# Altium PCB mitosis.PcbDoc
Units mm, origin at the board's own origin, x right, y up, seen from the top; angles counter-clockwise.
Board outline 100 x 100 mm, 2 copper layers (Top Layer, Bottom Layer), stack 1.671 mm thick; 31 components, 33 nets, 448 pads, 45 vias.
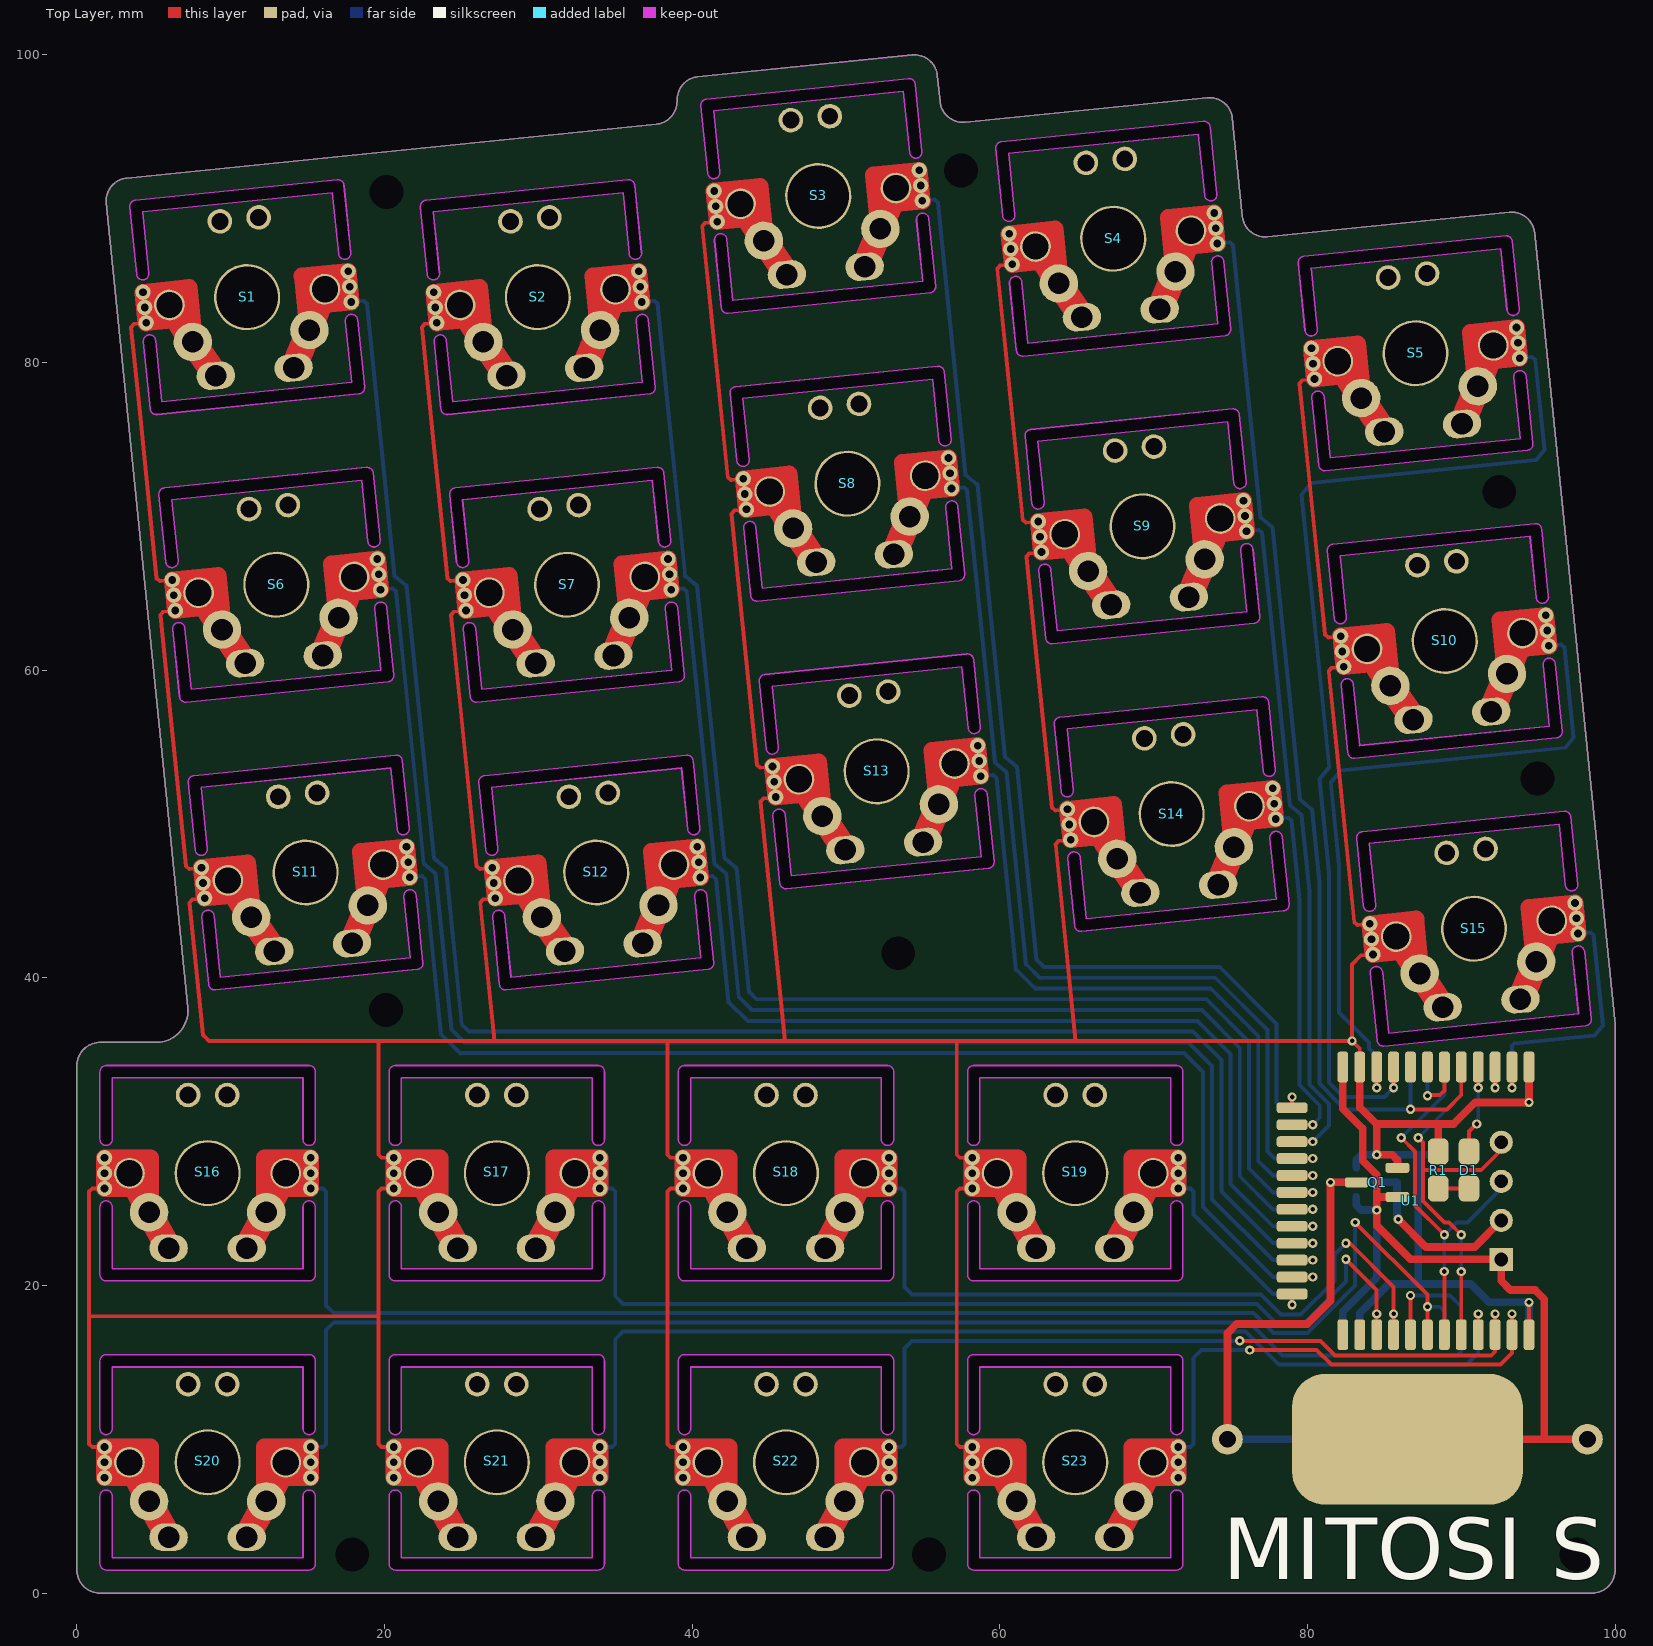
[diagram p0: Top Layer view]
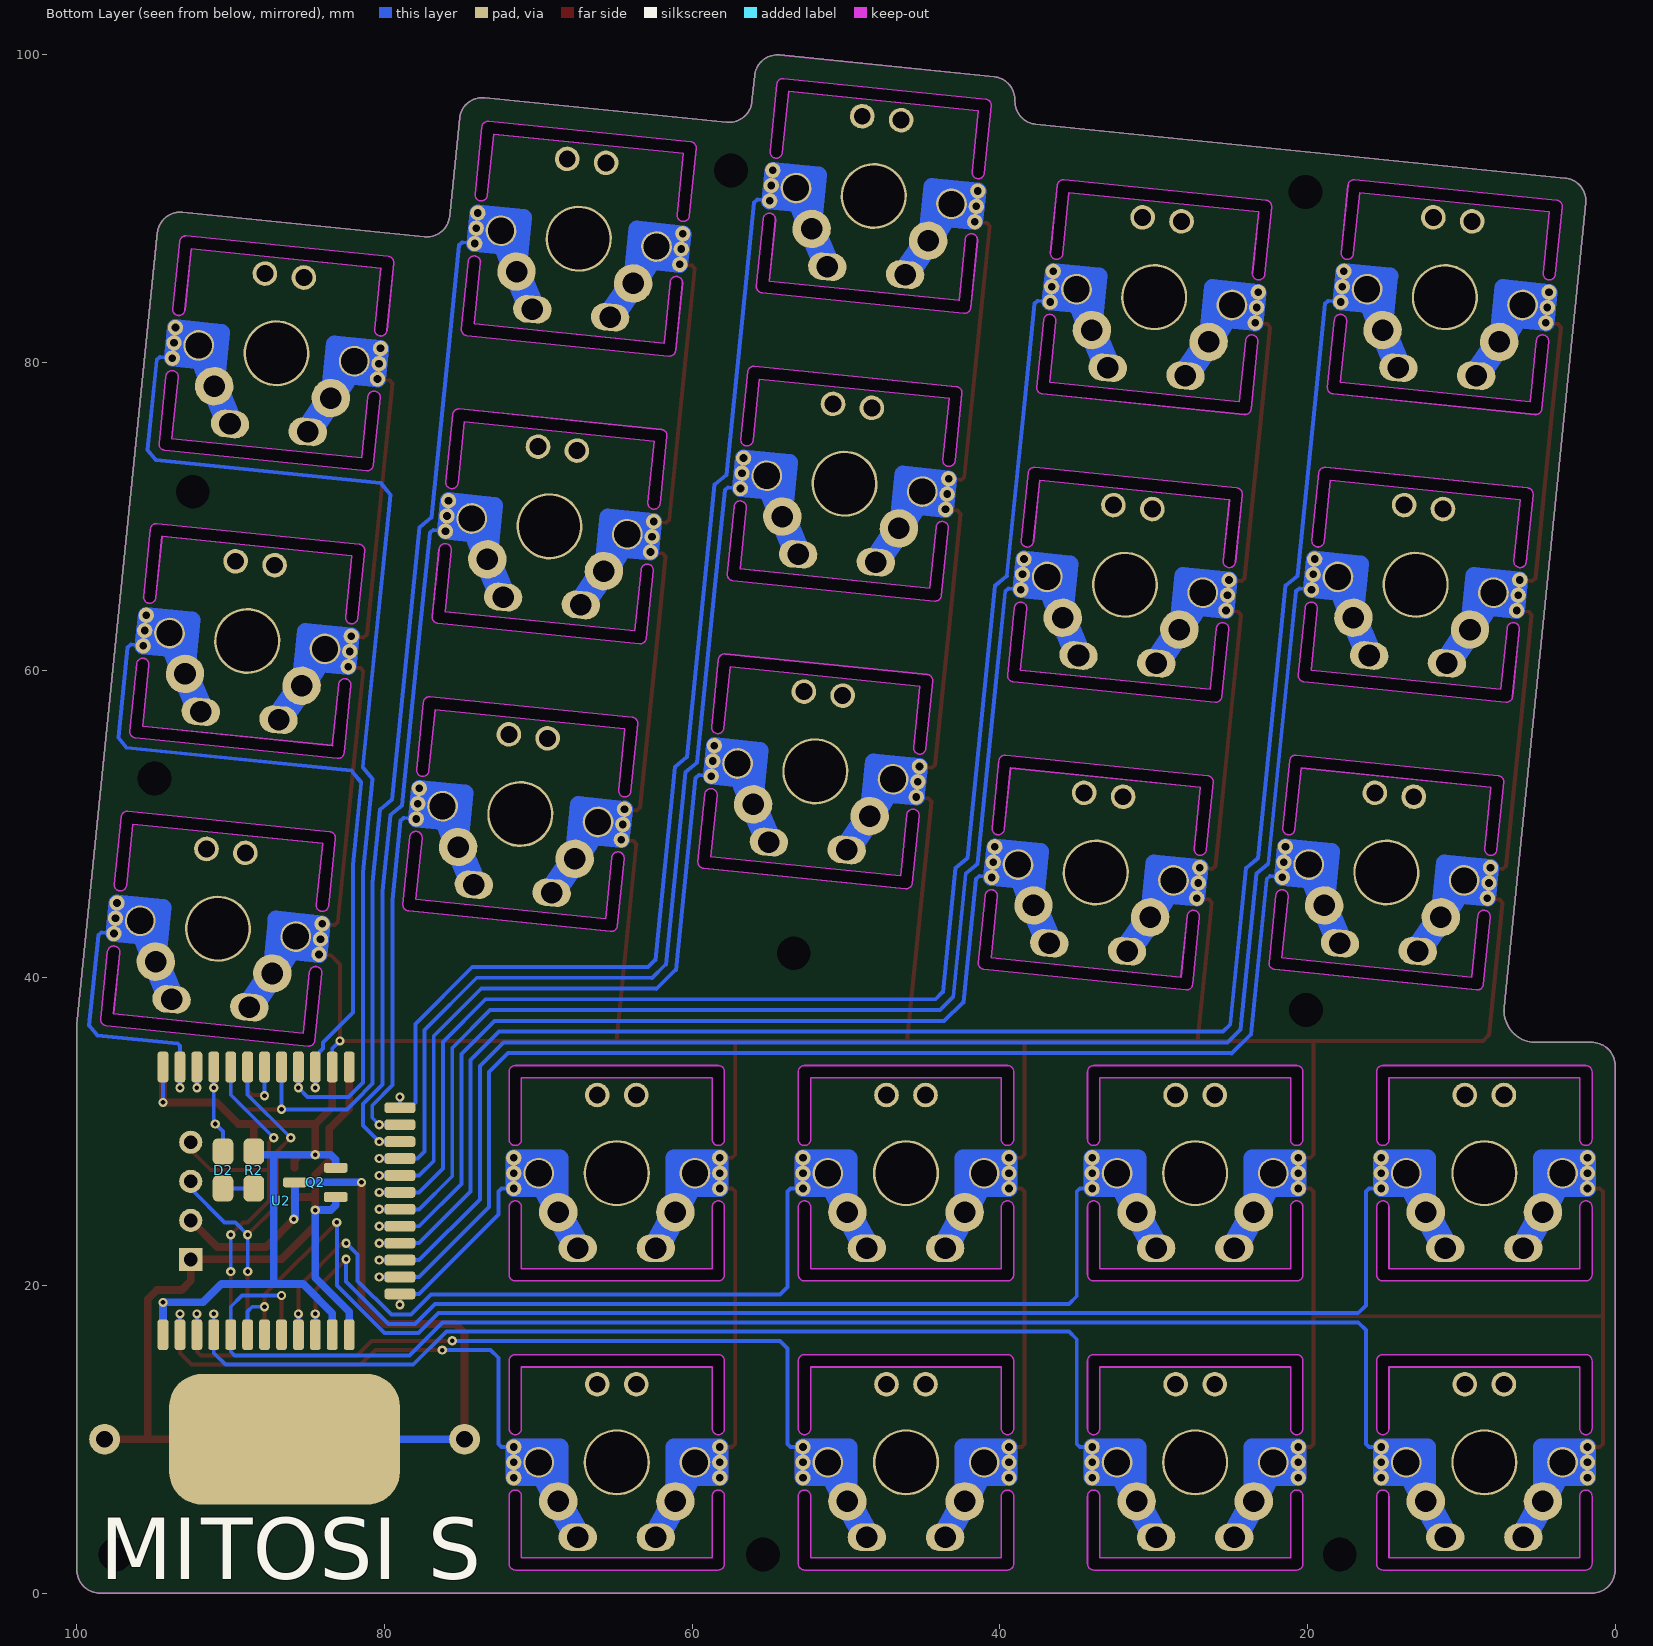
[diagram p1: Bottom Layer view, seen from below]
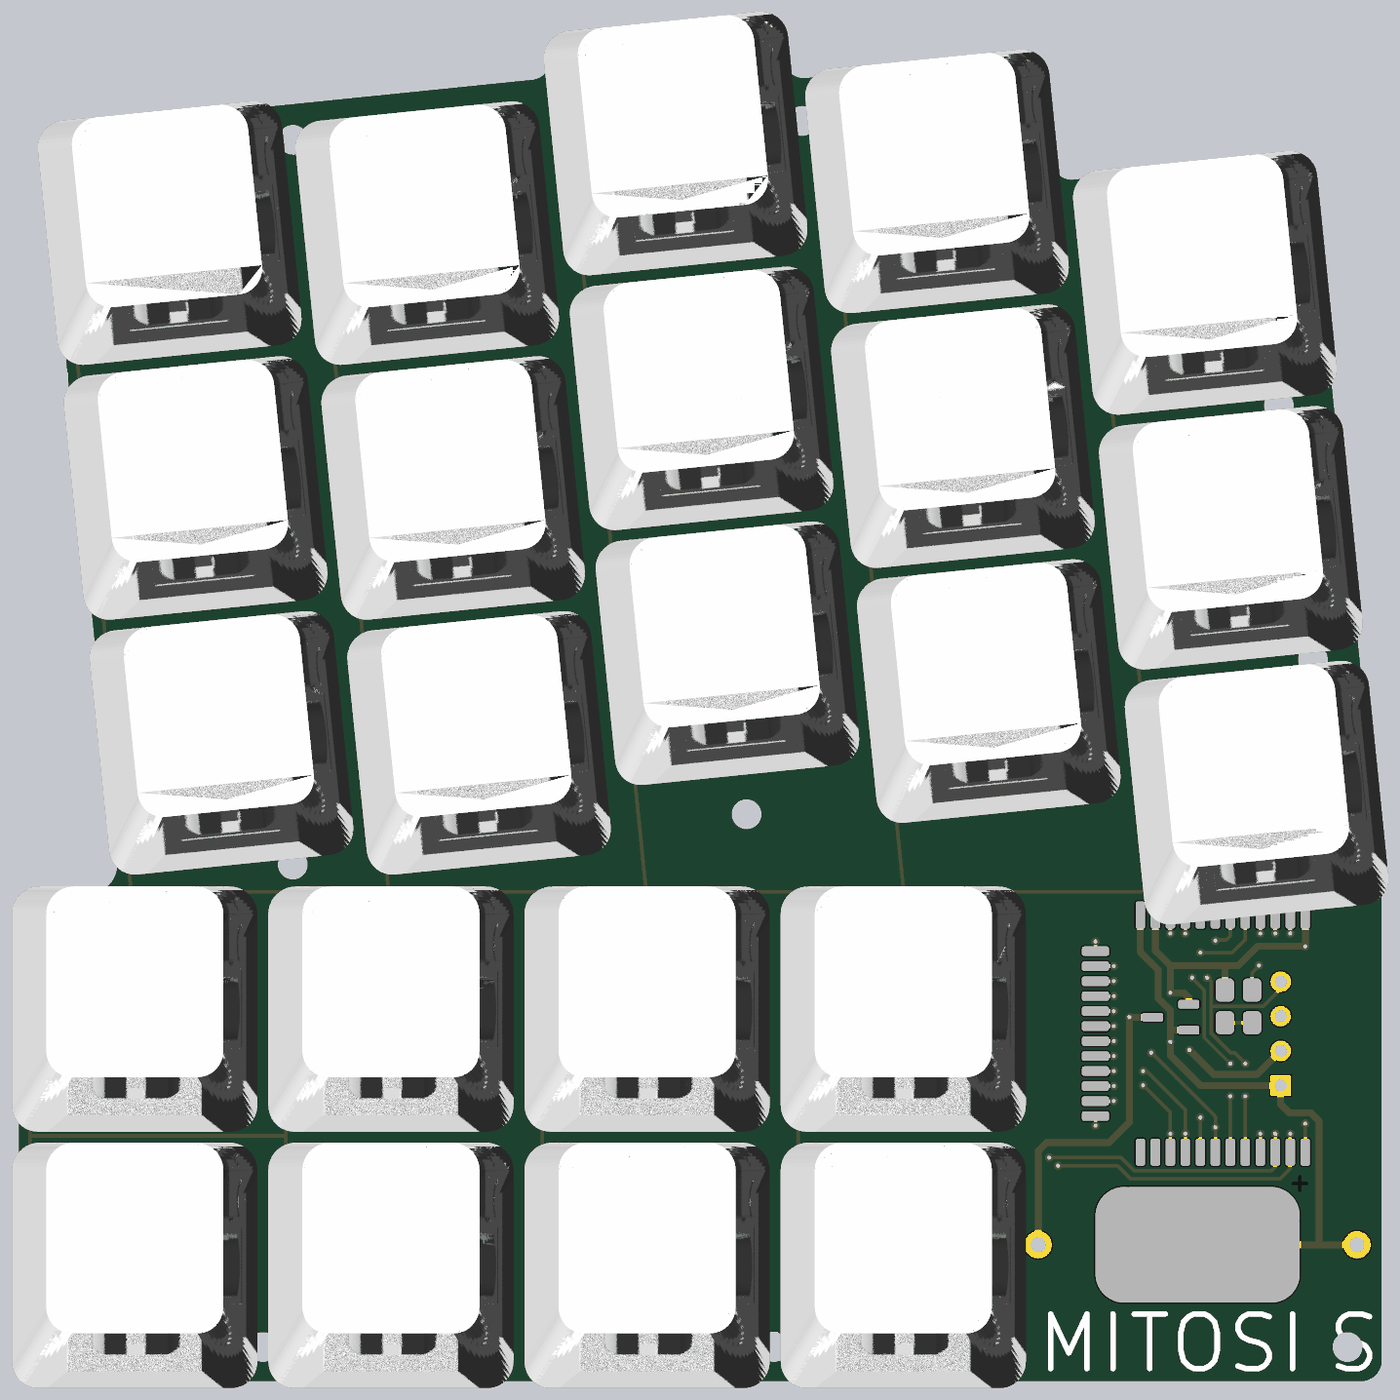
[diagram p2: 3D render of the assembled board from above, using the file's embedded part models]

## Layer stack, top to bottom
Top Solder: solder mask 0.0102, Solder Resist, Dk 3.5
Top Layer: signal copper 0.0356
Dielectric1: core 1.6, FR-4, Dk 4.8
Bottom Layer: signal copper 0.0356
Bottom Solder: solder mask 0.0102, Solder Resist, Dk 3.5

## Board outline
1.5,0 cw(c1.5,1.5) 0,1.5 0,34.3 cw(c1.508,34.292) 1.515,35.8 5.2,35.8 ccw(c5.142,37.88) 7.21,38.117 1.905,90.348 cw(c3.397,90.5) 3.246,91.992 37.668,95.489 ccw(c37.517,96.981) 39.017,96.976 39.022,97.117 cw(c40.522,97.085) 40.37,98.578 54.298,99.992 cw(c54.45,98.5) 55.942,98.652 56.114,96.96 ccw(c57.606,97.112) 57.758,95.62 73.477,97.216 cw(c73.629,95.724) 75.121,95.876 75.768,89.508 ccw(c77.26,89.66) 77.412,88.168 93.131,89.764 cw(c93.282,88.272) 94.775,88.423 100,36.988 100,1.5 cw(c98.5,1.5) 98.5,0

## Design rules (kind name [scope] priority, off if disabled: settings)
Clearance [All] p1: gap=0.152 ignorepadtopadclearanceinfootprint=FALSE except(0: Arc-Hole Track-Hole SMDPad-Hole THPad-Hole Via-Hole Fill-Hole Poly-Hole Region-Hole Text-Hole)
ComponentClearance nrf_clearance [(HasFootprint('Core51822 (B)'))] p1: gap=0 collisioncheckmode=3 verticalgap=0 showdistances=FALSE
ComponentClearance ComponentClearance_1 [All] p2: gap=0.254 collisioncheckmode=3 verticalgap=0.254 showdistances=FALSE
HoleSize [All] p1: absolutevalues=TRUE maxlimit=6.3 minlimit=0.3 maxpercent=80.000 minpercent=20.000
HoleToHoleClearance [All] p1: gap=0.29 allowstackedmicrovias=TRUE
MinimumSolderMaskSliver [All] p1: minsoldermaskwidth=0.089
PolygonConnect [All] p1: connectstyle=Relief reliefconductorwidth=0.254 reliefentries=4 polygonreliefangle="90 Angle" airgapwidth=0.254
RoomDefinition SK2 [InComponentClass('SK2')] p1: confinementstyle=ConfineOut formatcopy=TRUE lockcomponents=FALSE outline -56.159,-85.791 -5.359,-85.791 -5.359,-60.391 -56.159,-60.391
RoutingVias [All] p1: holewidth=0.3 width=0.6 viastyle="Through Hole" minholewidth=0.3 minwidth=0.6 maxholewidth=6.3 maxwidth=12
SilkToSolderMaskClearance [IsPad] p1: minsilkscreentomaskgap=0.1 clearancetoexposedcopper=TRUE
SolderMaskExpansion [All] p1: expansion=0.102
Width [All] p1: maxlimit=10 minlimit=0.152 preferedwidth=0.254
25 further rules are at their usual default settings.

## Components (designator, comment, footprint, x,y, rotation, side; value= is the part's Value field where it differs from the comment)
D1 "0603" RESC2012X06N 90.5,27.5 r90 top
D2 "0603" RESC2012X06N 90.5,27.5 r90 bottom
Q1 "SI2302" SOT-23 84.525,26.7 r180 top
Q2 "SI2302" SOT-23 84.5,26.7 r0 bottom
R1 "0603" RESC2012X06N 88.5,27.5 r270 top
R2 "0603" RESC2012X06N 88.5,27.5 r270 bottom
S1 "CHERRY MX" cherry 11.068,84.253 r5.8 top
S2 "CHERRY MX" cherry 29.964,84.253 r5.8 top
S3 "CHERRY MX" cherry 48.193,90.828 r5.8 top
S4 "CHERRY MX" cherry 67.372,88.052 r5.8 top
S5 "CHERRY MX" cherry 87.026,80.6 r5.8 top
S6 "CHERRY MX" cherry 12.968,65.549 r5.8 top
S7 "CHERRY MX" cherry 31.864,65.549 r5.8 top
S8 "CHERRY MX" cherry 50.093,72.125 r5.8 top
S9 "CHERRY MX" cherry 69.272,69.349 r5.8 top
S10 "CHERRY MX" cherry 88.925,61.897 r5.8 top
S11 "CHERRY MX" cherry 14.867,46.845 r5.8 top
S12 "CHERRY MX" cherry 33.764,46.845 r5.8 top
S13 "CHERRY MX" cherry 51.993,53.421 r5.8 top
S14 "CHERRY MX" cherry 71.172,50.645 r5.8 top
S15 "CHERRY MX" cherry 90.825,43.193 r5.8 top
S16 "CHERRY MX" cherry 8.5,27.3 r0 top
S17 "CHERRY MX" cherry 27.3,27.3 r0 top
S18 "CHERRY MX" cherry 46.1,27.3 r0 top
S19 "CHERRY MX" cherry 64.9,27.3 r0 top
S20 "CHERRY MX" cherry 8.5,8.5 r0 top
S21 "CHERRY MX" cherry 27.3,8.5 r0 top
S22 "CHERRY MX" cherry 46.1,8.5 r0 top
S23 "CHERRY MX" cherry 64.9,8.5 r0 top
U1 "Core51822 (B)" "Core51822 (B)" 100,25.5 r270 top
U2 "Core51822 (B)" "Core51822 (B)" 100,25.5 r90 bottom

## Footprints (in the part's own frame and the unit in brackets; to place one, negate y for a bottom-side part, rotate by r counter-clockwise, add the part's x,y. Pads: shape width x height; smd on the part's side, far side on the other; paste and mask are expansions set on the pad)
cherry [mm]
  round 1.6 hole 1.1: 0(-1.27,5.08) 0(1.27,5.08)
  round 4.3 hole 3.988: 0(0,0)
  round 2.5 hole 1.4: 1(-3.81,-2.54) 2(3.81,-2.54)
  oval 2.5x1.8 hole 1.4: 3(-2.54,-4.877) 4(2.54,-4.877)
  round 2 hole 1.702: 5(-5.08,0) 6(5.08,0)
  round 1 hole 0.5 mask+0.05: 7(-6.7,1) 8(6.7,1) 9(-6.7,0) 10(6.7,0) 11(-6.7,-1) 12(6.7,-1)
  Top Layer lines w1.1: -6.7,0 -5.08,0 ; -4.3,-1 -6.7,-1 -6.7,1 -3.7,1 -3.7,-1.9 ; 3.7,-1.9 3.7,1 6.7,1 6.7,-1 4.3,-1 ; 5.08,0 6.7,0
  Top Layer lines w1.7: -5.08,0 -3.81,-2.54 -2.54,-4.877 ; 2.54,-4.877 3.81,-2.54 5.08,0
  Bottom Layer lines w1.1: -6.7,0 -5.08,0 ; -4.3,-1 -6.7,-1 -6.7,1 -3.7,1 -3.7,-1.9 ; 3.7,-1.9 3.7,1 6.7,1 6.7,-1 4.3,-1 ; 5.08,0 6.7,0
  Bottom Layer lines w1.7: -5.08,0 -3.81,-2.54 -2.54,-4.877 ; 2.54,-4.877 3.81,-2.54 5.08,0
  Keep-Out Layer board cut-out: -7,-2.2 -7,-6.6 -6.97,-6.753 -6.883,-6.883 -6.753,-6.97 -6.6,-7 -6.6,-7 6.6,-7 6.753,-6.97 6.883,-6.883 6.97,-6.753 7,-6.6 7,-6.6 7,-2.2 6.96,-2.026 6.849,-1.887 6.689,-1.81 6.511,-1.81 6.351,-1.887 6.24,-2.026 6.2,-2.2 6.2,-2.2 6.2,-6.2 6.2,-6.2 -6.2,-6.2 -6.2,-6.2 -6.2,-2.2 -6.24,-2.026 -6.351,-1.887 -6.511,-1.81 -6.689,-1.81 -6.849,-1.887 -6.96,-2.026 -7,-2.2
  Keep-Out Layer board cut-out: -7,2.2 -7,6.6 -6.97,6.753 -6.883,6.883 -6.753,6.97 -6.6,7 -6.6,7 6.6,7 6.753,6.97 6.883,6.883 6.97,6.753 7,6.6 7,6.6 7,2.2 6.96,2.026 6.849,1.887 6.689,1.81 6.511,1.81 6.351,1.887 6.24,2.026 6.2,2.2 6.2,2.2 6.2,6.2 6.2,6.2 -6.2,6.2 -6.2,6.2 -6.2,2.2 -6.24,2.026 -6.351,1.887 -6.511,1.81 -6.689,1.81 -6.849,1.887 -6.96,2.026 -7,2.2
  Keep-Out Layer lines w0.1: -7,6.6 cw(c-6.6,6.6) -6.6,7 6.6,7 cw(c6.6,6.6) 7,6.6 7,2.2 cw(c6.6,2.2) 6.2,2.2 6.2,6.2 -6.2,6.2 -6.2,2.2 cw(c-6.6,2.2) -7,2.2 -7,6.6 ; -7,-2.2 cw(c-6.6,-2.2) -6.2,-2.2 -6.2,-6.2 6.2,-6.2 6.2,-2.2 cw(c6.6,-2.2) 7,-2.2 7,-6.6 cw(c6.6,-6.6) 6.6,-7 -6.6,-7 cw(c-6.6,-6.6) -7,-6.6 -7,-2.2
  body extent -9,-9 9,9, height 23
"Core51822 (B)" [mm]
  rrect50% 2x0.7 smd: 1(-8.7,-5.6) 2(-8.7,-6.7) 3(-8.7,-7.8) 4(-8.7,-8.9) 5(-8.7,-10) 6(-8.7,-11.1) 7(-8.7,-12.2) 8(-8.7,-13.3) 9(-8.7,-14.4) 10(-8.7,-15.5) 11(-8.7,-16.6) 12(-8.7,-17.7) 25(8.7,-17.7) 26(8.7,-16.6) 27(8.7,-15.5) 28(8.7,-14.4) 29(8.7,-13.3) 30(8.7,-12.2) 31(8.7,-11.1) 32(8.7,-10) 33(8.7,-8.9) 34(8.7,-7.8) 35(8.7,-6.7) 36(8.7,-5.6)
  rrect50% 0.7x2 smd: 13(-6.05,-21) 14(-4.95,-21) 15(-3.85,-21) 16(-2.75,-21) 17(-1.65,-21) 18(-0.55,-21) 19(0.55,-21) 20(1.65,-21) 21(2.75,-21) 22(3.85,-21) 23(4.95,-21) 24(6.05,-21)
  body extent -8.5,-20.8 8.5,0, height 1.8
RESC2012X06N [mm] "Chip Resistor, 2-Leads, Body 2.00x1.25mm, IPC Medium Density"
  rrect50% 1.7x1.35 smd: 1(-1.2,0) 2(1.2,0)
  body extent -1.05,-0.7 1.05,0.7, height 0.55
SOT-23 [mm] "SOT23, 3-Leads, Body 2.92x3.10mm, Pitch 0.95mm, IPC Medium Density"
  rrect50% 1.55x0.65 smd: 1(-1.325,0.95) 2(-1.325,-0.95) 3(1.325,0)
  body extent -0.7,-1.52 0.7,1.52, height 1.12

## Part data
Q1 Q2: "N-Channel Logic MOSFET"
S1 S2 S3 S4 S5 S6 S7 S8 S9 S10 S11 S12 S13 S14 S15 S16 S17 S18 S19 S20 S21 S22 S23: "Switch"
U1 U2: "NRF51822 (B)"

## Free pads (board coordinates)
  round 2 hole 1.1: 0(98.2,10) 1(74.8,10)
  rect 1.5x1.5 hole 0.9: 1(92.6,21.69)
  rrect50% 15x8.5 smd: 2(86.5,10)
  rrect50% 15x8.5 smd far side: 2(86.5,10)
  round 1.5 hole 0.9: 2(92.6,24.23) 3(92.6,26.77) 4(92.6,29.31)
  round 1.524 hole 2.2 unplated: 5(53.4,41.6) 6(17.9,2.5) 14(55.4,2.5) 15(20.123,91.093) 16(57.474,92.475) 17(20.1,37.9) 19(92.463,71.604) 20(97.5,2.5) 21(94.959,52.961)

## Via types
v1: diameter 0.6, hole 0.3, Top Layer to Bottom Layer, tented both sides, 45 vias

## Nets (pads, with @x,y where several pads share a name; then routed paths per layer and width w, separated by ;. In a path a pad name is that pad's centre, name@x,y a point inside that pad or via, vN(x,y) a via of type N, cw(c..) or ccw(c..) an arc to the next point about the centre after c; other vN are vias at no path point)
GND: Q1.2 Q2.2 R1.1 R2.1 S1.1 S1.3 S1.5 S1.7 S1.9 S1.11 S2.1 S2.3 S2.5 S2.7 S2.9 S2.11 S3.1 S3.3 S3.5 S3.7 S3.9 S3.11 S4.1 S4.3 S4.5 S4.7 S4.9 S4.11 S5.1 S5.3 S5.5 S5.7 S5.9 S5.11 S6.1 S6.3 S6.5 S6.7 S6.9 S6.11 S7.1 S7.3 S7.5 S7.7 S7.9 S7.11 S8.1 S8.3 S8.5 S8.7 S8.9 S8.11 S9.1 S9.3 S9.5 S9.7 S9.9 S9.11 S10.1 S10.3 S10.5 S10.7 S10.9 S10.11 S11.1 S11.3 S11.5 S11.7 S11.9 S11.11 S12.1 S12.3 S12.5 S12.7 S12.9 S12.11 S13.1 S13.3 S13.5 S13.7 S13.9 S13.11 S14.1 S14.3 S14.5 S14.7 S14.9 S14.11 S15.1 S15.3 S15.5 S15.7 S15.9 S15.11 S16.1 S16.3 S16.5 S16.7 S16.9 S16.11 S17.1 S17.3 S17.5 S17.7 S17.9 S17.11 S18.1 S18.3 S18.5 S18.7 S18.9 S18.11 S19.1 S19.3 S19.5 S19.7 S19.9 S19.11 S20.1 S20.3 S20.5 S20.7 S20.9 S20.11 S21.1 S21.3 S21.5 S21.7 S21.9 S21.11 S22.1 S22.3 S22.5 S22.7 S22.9 S22.11 S23.1 S23.3 S23.5 S23.7 S23.9 S23.11 U1.1 U1.11 U1.36 U2.1 U2.11 U2.26 U2.36 | length 498.1
  Top Layer w0.25: U1.36 v1(94.4,18.9)
  Top Layer w0.254: S20.7 1,9.5 0.8,9.7 0.8,18 ; S16.11 1,26.3 0.8,26.1 0.8,18 ; S1.11 3.707,82.5 3.528,82.281 4.125,76.411 5.186,65.965 5.405,65.786 S6.7 ; S6.11 5.607,63.796 5.428,63.577 6.024,57.707 7.086,47.261 7.305,47.082 S11.7 ; S11.11 7.507,45.093 7.328,44.873 8.201,36.281 8.3,36.2 8.597,35.903 v1@82.8,35.903 ; 19.6,35.9 19.6,28.5 19.8,28.3 S17.7 ; S21.7 19.8,9.5 19.6,9.7 19.6,18 ; S17.11 19.8,26.3 19.6,26.1 19.6,18 ; S2.11 22.604,82.5 22.425,82.281 23.021,76.411 24.082,65.965 24.302,65.786 S7.7 ; S7.11 24.504,63.796 24.325,63.577 24.921,57.707 25.982,47.261 26.202,47.082 S12.7 ; 27.137,35.896 26.225,44.873 26.404,45.092 S12.11 ; 38.4,35.9 38.4,28.5 38.6,28.3 S18.7 ; S22.7 38.6,9.5 38.4,9.7 38.4,26.1 38.6,26.3 S18.11 ; S3.11 40.833,89.076 40.654,88.856 41.25,82.987 42.311,72.54 42.53,72.362 S8.7 ; S8.11 42.733,70.372 42.554,70.153 43.15,64.283 44.211,53.837 44.43,53.658 S13.7 ; S13.11 44.632,51.668 44.454,51.449 46.033,35.903 ; 57.2,35.9 57.2,28.5 57.4,28.3 S19.7 ; S23.7 57.4,9.5 57.2,9.7 57.2,26.1 57.4,26.3 S19.11 ; S4.11 60.011,86.3 59.833,86.08 60.429,80.211 61.49,69.764 61.709,69.586 S9.7 ; S9.11 61.911,67.596 61.732,67.377 62.329,61.507 63.39,51.061 63.609,50.882 S14.7 ; S14.11 63.811,48.892 63.632,48.673 64.93,35.896 ; S5.11 79.665,78.848 79.486,78.628 80.083,72.759 81.144,62.312 81.363,62.134 S10.7 ; S10.11 81.565,60.144 81.386,59.925 81.982,54.055 83.044,43.609 83.263,43.43 S15.7 ; U1.11 83.4,35.4 v1(82.9,35.9) 82.9,40.875 83.465,41.44 S15.11 ; 0.8,18 19.6,18
  Top Layer w0.5: U1.11 83.4,31.574 84.474,30.5 ; Q1.2 85.85,28.15 85.5,28.5 v1(84.5,28.5) 84.5,30.474 84.474,30.5 ; R1.1 88.5,30.5 ; U1.1 94.4,32.85 ; 84.474,30.5 88.5,30.5 ; 88.5,30.5 89.5,30.5 90.9,31.9 v1(94.4,31.9) ; v1(94.4,31.9) 94.4,32.85 ; v1(94.4,31.9) 94.4,32.85
  Bottom Layer w0.25: v1(94.4,31.9) U2.36
  Bottom Layer w0.254: v1(82.9,35.9) 83.4,35.4 U2.26
  Bottom Layer w0.5: Q2.2 83.175,28.175 83.5,28.5 v1(84.5,28.5) 87.2,28.5 ; U2.11 83.4,18.2 85.3,20.1 87.2,20.1 ; R2.1 88.3,28.5 87.2,28.5 ; U2.1 v1(94.4,18.9) 91.8,18.9 90.6,20.1 87.2,20.1 ; 87.2,20.1 87.2,28.5
GND_P: pad.1@74.8,10 pad.2@86.5,10 pad.2@92.6,24.23 Q1.3 Q2.3 | length 50.4
  Top Layer w0.5: pad.1@74.8,10 74.8,16.9 75.4,17.5 80,17.5 81.5,19 v1(81.5,26.7) Q1.3 ; v1(85.9,24.3) 87.7,22.5 90.87,22.5 pad.2@92.6,24.23
  Bottom Layer w0.5: pad.1@74.8,10 pad.2@86.5,10 ; v1(81.5,26.7) Q2.3@85.775,26.7 ; Q2.3 85.825,24.375 v1(85.9,24.3)
L1: D1.1 R1.2 | length 2
  Top Layer w0.25: R1.2 D1.1
L2: D2.1 R2.2 | length 2
  Bottom Layer w0.25: R2.2 D2.1
LED: D1.2 D2.2 U1.4 U2.33 | length 9.1
  Top Layer w0.25: D1.2 90.5,30 v1(91,30.5)
  Top Layer w0.254: v1(91.1,32.85) U1.4
  Bottom Layer w0.25: D2.2 90.5,30 v1(91,30.5) 91.1,30.6 v1(91.1,32.85)
  Bottom Layer w0.254: v1(91.1,32.85) U2.33
S1: S1.2 S1.4 S1.6 S1.8 S1.10 S1.12 U1.21 U2.16 | length 117.9
  Top Layer w0.254: U1.21 v1(80.35,22.75)
  Bottom Layer w0.254: S1.12 18.63,84.016 18.85,83.837 19.446,77.967 20.649,66.118 21.416,65.493 23.216,47.774 23.983,47.148 25.018,36.967 25.481,36.504 72.556,36.504 74.4,34.66 74.4,26.1 77.75,22.75 U2.16 ; U2.16 v1(80.35,22.75) U2.16
S2: S2.2 S2.4 S2.6 S2.8 S2.10 S2.12 U1.18 U2.19 | length 96.4
  Top Layer w0.254: U1.18 v1(80.35,26.05)
  Bottom Layer w0.254: S2.12 37.527,84.016 37.746,83.837 38.343,77.967 39.546,66.118 40.313,65.492 42.113,47.774 42.88,47.148 43.701,39.066 ; 43.718,39.067 44.181,38.604 73.426,38.604 76.204,35.826 76.204,27.596 77.75,26.05 U2.19 ; U2.19 v1(80.35,26.05) U2.19
S3: S3.2 S3.4 S3.6 S3.8 S3.10 S3.12 U1.13 U2.24 | length 76.1
  Top Layer w0.254: U1.13 v1(79,32.25)
  Bottom Layer w0.254: S3.12 55.756,90.591 55.975,90.413 56.571,84.543 57.775,72.694 58.542,72.068 60.342,54.349 61.109,53.724 62.385,41.164 ; 62.418,41.167 62.881,40.704 74.296,40.704 78,37 78,31.9 78.35,31.55 U2.24@78.85,31.55 ; U2.24 v1(79,32.25)
S4: S4.2 S4.4 S4.6 S4.8 S4.10 S4.12 U1.5 U2.29 | length 71.4
  Top Layer w0.254: v1(86.7,31.45) 89.068,31.45 90,32.382 U1.5
  Bottom Layer w0.254: S4.12 74.935,87.815 75.154,87.637 75.75,81.767 76.954,69.918 77.721,69.292 79.521,51.573 80.288,50.948 80.771,46.192 80.771,33.129 80.9,33 81.8,32.1 82.45,31.45 v1(86.7,31.45) U2.29
S5: S5.2 S5.4 S5.6 S5.8 S5.10 S5.12 U1.9 U2.28 | length 69.6
  Top Layer w0.254: v1(85.6,32.85) U1.9
  Bottom Layer w0.254: 81.4,46.853 81.4,33.2 82.35,32.25 85,32.25 v1(85.6,32.85) ; 81.407,46.86 80.79,52.929 81.416,53.696 79.617,71.405 80.243,72.172 94.867,73.657 95.404,74.315 94.807,80.185 94.588,80.363 S5.12 ; v1@85.6,32.9 U2.28
S6: S6.2 S6.4 S6.6 S6.8 S6.10 S6.12 U1.22 U2.15 | length 100.1
  Top Layer w0.254: U1.22 v1(80.35,21.65)
  Bottom Layer w0.254: S6.12 20.53,65.312 20.749,65.134 21.346,59.264 22.549,47.415 23.316,46.789 24.346,36.65 ; 24.35,36.65 25.2,35.8 72.265,35.8 73.8,34.265 73.8,25.6 77.75,21.65 U2.15 ; U2.15 v1(80.35,21.65) U2.15
S7: S7.2 S7.4 S7.6 S7.8 S7.10 S7.12 U1.19 U2.18 | length 78.6
  Top Layer w0.254: U1.19 v1(80.35,24.95)
  Bottom Layer w0.254: S7.12 39.427,65.312 39.646,65.133 40.242,59.263 41.446,47.414 42.213,46.789 43.03,38.748 ; 43.05,38.75 43.9,37.9 ; 43.9,37.904 73.136,37.904 75.6,35.44 75.6,27.1 77.75,24.95 U2.18 ; U2.18 v1(80.35,24.95) U2.18
S8: S8.2 S8.4 S8.6 S8.8 S8.10 S8.12 U1.16 U2.21 | length 63.6
  Top Layer w0.254: U1.16 v1(80.35,28.25)
  Bottom Layer w0.254: S8.12 57.656,71.888 57.875,71.709 58.471,65.839 59.675,53.99 60.442,53.364 61.713,40.846 ; 61.75,40.85 62.6,40 ; 62.6,40.004 74.006,40.004 77.4,36.61 77.4,28.7 77.85,28.25 U2.21 ; U2.21 v1(80.35,28.25) U2.21
S9: S9.2 S9.4 S9.6 S9.8 S9.10 S9.12 U1.15 U2.22 | length 46.2
  Top Layer w0.254: U1.15 v1(80.35,29.35)
  Bottom Layer w0.254: S9.12 76.834,69.112 77.054,68.933 77.65,63.063 78.853,51.214 79.621,50.588 80.125,45.624 80.125,33.075 81.4,31.8 81.4,30.4 v1(80.35,29.35) ; v1(80.35,29.35) U2.22 v1(80.35,29.35)
S10: S10.2 S10.4 S10.6 S10.8 S10.10 S10.12 U1.10 U2.27 | length 45.8
  Top Layer w0.254: v1(84.5,32.85) U1.10
  Bottom Layer w0.254: v1(84.5,32.85) U2.27 84.5,34.9 84,35.4 84,35.8 82.063,37.737 82.063,47.328 81.517,52.701 82.143,53.468 96.767,54.953 97.304,55.611 96.707,61.481 96.488,61.66 S10.12
S11: S11.2 S11.4 S11.6 S11.8 S11.10 S11.12 U1.23 U2.14 | length 80.9
  Top Layer w0.254: U1.23 v1(80.35,20.55)
  Bottom Layer w0.254: S11.12 22.43,46.609 22.649,46.43 23.678,36.298 ; 23.7,36.3 24.935,35.085 ; 24.95,35.1 71.975,35.1 73.2,33.875 73.2,25.1 77.75,20.55 U2.14 v1(80.35,20.55)
S12: S12.2 S12.4 S12.6 S12.8 S12.10 S12.12 U1.20 U2.17 | length 60.8
  Top Layer w0.254: U1.20 v1(80.35,23.85)
  Bottom Layer w0.254: S12.12 41.327,46.608 41.546,46.429 42.362,38.396 ; 42.4,38.4 43.635,37.185 ; 43.635,37.2 72.844,37.2 75,35.044 75,26.6 77.75,23.85 U2.17 ; U2.17 v1(80.35,23.85) U2.17
S13: S13.2 S13.4 S13.6 S13.8 S13.10 S13.12 U1.17 U2.20 | length 45.9
  Top Layer w0.254: U1.17 v1(80.35,27.15)
  Bottom Layer w0.254: S13.12 59.556,53.184 59.775,53.005 61.046,40.494 ; 61.1,40.5 62.335,39.285 ; 62.335,39.3 73.714,39.3 76.8,36.214 76.8,28.1 77.75,27.15 U2.20 ; U2.20 v1(80.35,27.15) U2.20
S14: S14.2 S14.4 S14.6 S14.8 S14.10 S14.12 U1.14 U2.23 | length 25.7
  Top Layer w0.254: U1.14 v1(80.35,30.45)
  Bottom Layer w0.254: S14.12 78.734,50.408 78.954,50.229 79.479,45.056 79.479,33.021 80.8,31.7 80.8,30.9 v1(80.35,30.45) ; v1(80.35,30.45) U2.23 v1(80.35,30.45)
S15: S15.2 S15.4 S15.6 S15.8 S15.10 S15.12 U1.2 U2.35 | length 17.4
  Top Layer w0.254: v1(93.3,32.85) U1.2
  Bottom Layer w0.254: v1(93.3,32.85) U2.35 93.3,35.575 93.444,35.719 98.667,36.25 99.203,36.907 98.607,42.777 98.388,42.956 S15.12
S16: S16.2 S16.4 S16.6 S16.8 S16.10 S16.12 U1.30 U2.6 | length 93.5
  Top Layer w0.254: v1(83.1,24.1) 87.8,19.4 v1(87.8,18.618) U1.30
  Bottom Layer w0.254: S16.12 16,26.3 16.2,26.1 16.2,20.2 16.2,18.7 16.7,18.2 76.482,18.2 77.782,16.9 80,16.9 83.1,20 v1(83.1,24.1) ; v1(87.8,18.618) 88.6,18.618 88.9,18.318 U2.6
S17: S17.2 S17.4 S17.6 S17.8 S17.10 S17.12 U1.27 U2.10 | length 65.8
  Top Layer w0.254: v1(82.5,21.7) 84.5,19.7 U1.27
  Bottom Layer w0.254: S17.12 34.8,26.3 35,26.1 35,19.3 35.5,18.8 76.73,18.8 78.03,17.5 79.75,17.5 82.5,20.25 v1(82.5,21.7) ; U2.10 v1(84.5,18.15)
S18: S18.2 S18.4 S18.6 S18.8 S18.10 S18.12 U1.28 U2.9 | length 48.4
  Top Layer w0.254: v1(82.5,22.75) 82.75,22.75 85.6,19.9 U1.28
  Bottom Layer w0.254: S18.12 53.6,26.3 53.8,26.1 53.8,19.9 54.3,19.4 76.979,19.4 78.279,18.1 79.55,18.1 81.75,20.3 81.75,22 v1(82.5,22.75) ; U2.9 v1(85.6,18.15)
S19: S19.2 S19.4 S19.6 S19.8 S19.10 S19.12 U1.24 U2.13 | length 12.5
  Top Layer w0.254: v1(79,18.75) U1.24
  Bottom Layer w0.254: S19.12 72.4,26.3 72.6,26.1 72.6,24.6 77.75,19.45 U2.13 v1(79,18.75)
S20: S20.2 S20.4 S20.6 S20.8 S20.10 S20.12 U1.29 U2.5 | length 92.6
  Top Layer w0.254: U1.29 v1(86.7,19.35)
  Bottom Layer w0.254: S20.8 16,9.5 16.2,9.7 16.2,17.1 16.7,17.6 76.233,17.6 78.383,15.45 89.75,15.45 90,15.7 U2.5 90,18.618 89.268,19.35 v1(86.7,19.35)
S21: S21.2 S21.4 S21.6 S21.8 S21.10 S21.12 U1.33 U2.4 | length 69.3
  Top Layer w0.254: U1.33 v1(91.1,18.15)
  Bottom Layer w0.254: S21.8 34.8,9.5 35,9.7 35,16.5 35.5,17 75.985,17 78.135,14.85 90.35,14.85 91.1,15.6 U2.4 v1(91.1,18.15)
S22: S22.2 S22.4 S22.6 S22.8 S22.10 S22.12 U1.34 U2.3 | length 50.2
  Top Layer w0.254: v1(75.6,16.4) 80.85,16.4 81.8,15.45 91.95,15.45 92.2,15.7 U1.34 v1(92.2,18.15)
  Bottom Layer w0.254: S22.8 53.6,9.5 53.8,9.7 53.8,15.9 54.3,16.4 v1(75.6,16.4) ; U2.3 v1(92.2,18.15)
S23: S23.2 S23.4 S23.6 S23.8 S23.10 S23.12 U1.35 U2.2 | length 32.2
  Top Layer w0.254: v1(76.25,15.8) 80.6,15.8 81.55,14.85 92.55,14.85 93.3,15.6 v1(93.3,18.15)
  Bottom Layer w0.254: S23.8 72.4,9.5 72.6,9.7 72.6,15.3 73.1,15.8 v1(76.25,15.8) ; U2.2 v1(93.3,18.15)
SWCLK: pad.4 U1.32 U2.32 | length 26
  Top Layer w0.25: v1(87.2,29.6) 87.5,29.3 87.5,27.5 ; v1(90,23.3) 89.2,24.1 88.9,24.1 87.5,25.5 87.5,27.5 ; pad.4 92.6,28.8 91.3,27.5 87.5,27.5
  Top Layer w0.254: U1.32 v1(90,20.9)
  Bottom Layer w0.25: v1(87.2,29.6) 90,32.4 U2.32 ; v1(90,20.9) v1(90,23.3)
SWDIO: pad.3 U1.31 U2.31 | length 25.2
  Top Layer w0.25: v1(86.1,29.6) 87,28.7 87,25.2 v1(88.9,23.3)
  Top Layer w0.254: v1@88.896,21.004 88.9,21 U1.31
  Bottom Layer w0.25: v1(86.1,29.6) 88.9,32.4 U2.31 ; v1(88.896,20.904) v1@88.896,23.3 ; v1(88.9,23.3) 89.7,24.1 90.4,24.1 92.6,26.3 pad.3
VCC: pad.0 pad.1@92.6,21.69 pad.2@86.5,10 Q1.1 Q2.1 U1.12 U2.12 | length 58.4
  Top Layer w0.5: U1.12 82.3,31.5 83.6,30.2 83.6,28.1 84.5,27.2 84.5,25.8 ; Q1.1 84.55,25.75 84.5,25.8 ; pad.2@86.5,10 95.4,10 ; pad.1@92.49,21.8 92.39,21.7 pad.1@92.6,21.7 ; pad.0 95.4,10 ; 84.5,25.8 v1(84.5,24.9) 84.5,23.9 86.7,21.7 pad.1@92.6,21.7 ; pad.1@92.6,21.7 92.6,20.3 93.2,19.7 94.8,19.7 95.4,19.1 95.4,10
  Bottom Layer w0.5: U2.12 82.3,18.3 84.5,20.5 v1(84.5,24.9) 83.5,24.9 83.175,25.225 Q2.1
W23: U1.3 U2.34 | length 2.7
  Top Layer w0.254: v1(92.2,32.85) U1.3
  Bottom Layer w0.254: v1(92.2,32.85) U2.34
W26: U1.6 U2.30 | length 4.7
  Top Layer w0.254: v1(87.8,32.326) 87.8,32.382 88.6,32.382 88.9,32.682 U1.6
  Bottom Layer w0.254: v1(87.8,32.326) U2.30
pads on no net: S1.0 S2.0 S3.0 S4.0 S5.0 S6.0 S7.0 S8.0 S9.0 S10.0 S11.0 S12.0 S13.0 S14.0 S15.0 S16.0 S17.0 S18.0 S19.0 S20.0 S21.0 S22.0 S23.0 U1.7 U1.8 U1.25 U1.26 U2.7 U2.8 U2.25

## Keep-outs
Keep-Out Layer:
  the board outline again, w0.1

## Silkscreen, mask and mechanical layers (free items; w line width, h text height)
Top Overlay:
  text "MI" at 74.5,0.9 h4
  text "TOSI" at 81.2,0.9 h4
  text "S" at 95.8,0.9 h4
Bottom Overlay:
  text "S" at 77.2,0.9 h4
  text "TOSI" at 91.9,0.9 h4
  text "MI" at 98.5,0.9 h4
Top Solder:
  lines w0.25: 93.5,14.5 94.5,14.5 ; 94,14 94,15
Bottom Solder:
  lines w0.25: 93.5,14.5 94.5,14.5
Mechanical 1:
  circle w0.1: c86.5,10 r10
  lines w0.1: 0,0 0,100 100,100 100,0 0,0 ; 1.5,1.5 1.5,98.5 98.5,98.5 98.5,1.5 1.5,1.5
Mechanical 3:
  circle w0.1: c98.2,10 r1
  circle w0.1: c74.8,10 r1
  lines w0.1: 100,16.5 100,1.5 cw(c98.5,1.5) 98.5,0 1.5,0 cw(c1.5,1.5) 0,1.5 0,34.3 cw(c1.508,34.292) 1.515,35.8 5.2,35.8 ccw(c5.142,37.88) 7.21,38.117 1.905,90.348 cw(c3.397,90.5) 3.246,91.992 37.668,95.489 ccw(c37.517,96.981) 39.017,96.976 39.022,97.117 cw(c40.522,97.085) 40.37,98.578 54.298,99.992 cw(c54.45,98.5) 55.942,98.652 56.114,96.96 ccw(c57.606,97.112) 57.758,95.62 73.477,97.216 cw(c73.629,95.724) 75.121,95.876 75.768,89.508 ccw(c77.26,89.66) 77.412,88.168 93.131,89.764 cw(c93.282,88.272) 94.775,88.423 100,36.988 100,34.5 ; 100,16.5 100,16.5 ; 100,16.5 79.2,16.5 cw(c79.2,17) 78.7,17 78.7,34 cw(c79.2,34) 79.2,34.5 100,34.5 ; 100,34.5 100,34.5
Mechanical 7:
  circle w0.1: c98.2,10 r1
  circle w0.1: c74.8,10 r1
  lines w0.1: 100,16.5 100,1.5 cw(c98.5,1.5) 98.5,0 1.5,0 cw(c1.5,1.5) 0,1.5 0,34.3 cw(c1.508,34.292) 1.515,35.8 5.2,35.8 ccw(c5.142,37.88) 7.21,38.117 1.905,90.348 cw(c3.397,90.5) 3.246,91.992 37.668,95.489 ccw(c37.517,96.981) 39.017,96.976 39.022,97.117 cw(c40.522,97.085) 40.37,98.578 54.298,99.992 cw(c54.45,98.5) 55.942,98.652 56.114,96.96 ccw(c57.606,97.112) 57.758,95.62 73.477,97.216 cw(c73.629,95.724) 75.121,95.876 75.768,89.508 ccw(c77.26,89.66) 77.412,88.168 93.131,89.764 cw(c93.282,88.272) 94.775,88.423 100,36.988 100,34.5 ; 100,16.5 100,16.5 ; 100,16.5 79.2,16.5 cw(c79.2,17) 78.7,17 78.7,34 cw(c79.2,34) 79.2,34.5 100,34.5 ; 100,34.5 100,34.5

## Text inside footprints (layer, text, board x,y; h text height)
S1: Keep-Out Layer "CUTOUT" at 10.074,77.217 h0.6 r5.8; Keep-Out Layer "CUTOUT" at 8.74,90.349 h0.6 r5.8
S2: Keep-Out Layer "CUTOUT" at 28.97,77.216 h0.6 r5.8; Keep-Out Layer "CUTOUT" at 27.636,90.349 h0.6 r5.8
S3: Keep-Out Layer "CUTOUT" at 47.199,83.792 h0.6 r5.8; Keep-Out Layer "CUTOUT" at 45.865,96.924 h0.6 r5.8
S4: Keep-Out Layer "CUTOUT" at 66.378,81.016 h0.6 r5.8; Keep-Out Layer "CUTOUT" at 65.044,94.148 h0.6 r5.8
S5: Keep-Out Layer "CUTOUT" at 86.032,73.564 h0.6 r5.8; Keep-Out Layer "CUTOUT" at 84.698,86.696 h0.6 r5.8
S6: Keep-Out Layer "CUTOUT" at 11.974,58.513 h0.6 r5.8; Keep-Out Layer "CUTOUT" at 10.64,71.645 h0.6 r5.8
S7: Keep-Out Layer "CUTOUT" at 30.87,58.512 h0.6 r5.8; Keep-Out Layer "CUTOUT" at 29.536,71.645 h0.6 r5.8
S8: Keep-Out Layer "CUTOUT" at 49.099,65.088 h0.6 r5.8; Keep-Out Layer "CUTOUT" at 47.765,78.221 h0.6 r5.8
S9: Keep-Out Layer "CUTOUT" at 68.278,62.312 h0.6 r5.8; Keep-Out Layer "CUTOUT" at 66.944,75.445 h0.6 r5.8
S10: Keep-Out Layer "CUTOUT" at 87.931,54.86 h0.6 r5.8; Keep-Out Layer "CUTOUT" at 86.598,67.993 h0.6 r5.8
S11: Keep-Out Layer "CUTOUT" at 13.873,39.809 h0.6 r5.8; Keep-Out Layer "CUTOUT" at 12.539,52.941 h0.6 r5.8
S12: Keep-Out Layer "CUTOUT" at 32.77,39.809 h0.6 r5.8; Keep-Out Layer "CUTOUT" at 31.436,52.941 h0.6 r5.8
S13: Keep-Out Layer "CUTOUT" at 50.999,46.384 h0.6 r5.8; Keep-Out Layer "CUTOUT" at 49.665,59.517 h0.6 r5.8
S14: Keep-Out Layer "CUTOUT" at 70.178,43.608 h0.6 r5.8; Keep-Out Layer "CUTOUT" at 68.844,56.741 h0.6 r5.8
S15: Keep-Out Layer "CUTOUT" at 89.831,36.156 h0.6 r5.8; Keep-Out Layer "CUTOUT" at 88.497,49.289 h0.6 r5.8
S16: Keep-Out Layer "CUTOUT" at 6.8,20.4 h0.6; Keep-Out Layer "CUTOUT" at 6.8,33.6 h0.6
S17: Keep-Out Layer "CUTOUT" at 25.6,20.4 h0.6; Keep-Out Layer "CUTOUT" at 25.6,33.6 h0.6
S18: Keep-Out Layer "CUTOUT" at 44.4,20.4 h0.6; Keep-Out Layer "CUTOUT" at 44.4,33.6 h0.6
S19: Keep-Out Layer "CUTOUT" at 63.2,20.4 h0.6; Keep-Out Layer "CUTOUT" at 63.2,33.6 h0.6
S20: Keep-Out Layer "CUTOUT" at 6.8,1.6 h0.6; Keep-Out Layer "CUTOUT" at 6.8,14.8 h0.6
S21: Keep-Out Layer "CUTOUT" at 25.6,1.6 h0.6; Keep-Out Layer "CUTOUT" at 25.6,14.8 h0.6
S22: Keep-Out Layer "CUTOUT" at 44.4,1.6 h0.6; Keep-Out Layer "CUTOUT" at 44.4,14.8 h0.6
S23: Keep-Out Layer "CUTOUT" at 63.2,1.6 h0.6; Keep-Out Layer "CUTOUT" at 63.2,14.8 h0.6